# KiCad board VNA.kicad_pcb (continued)
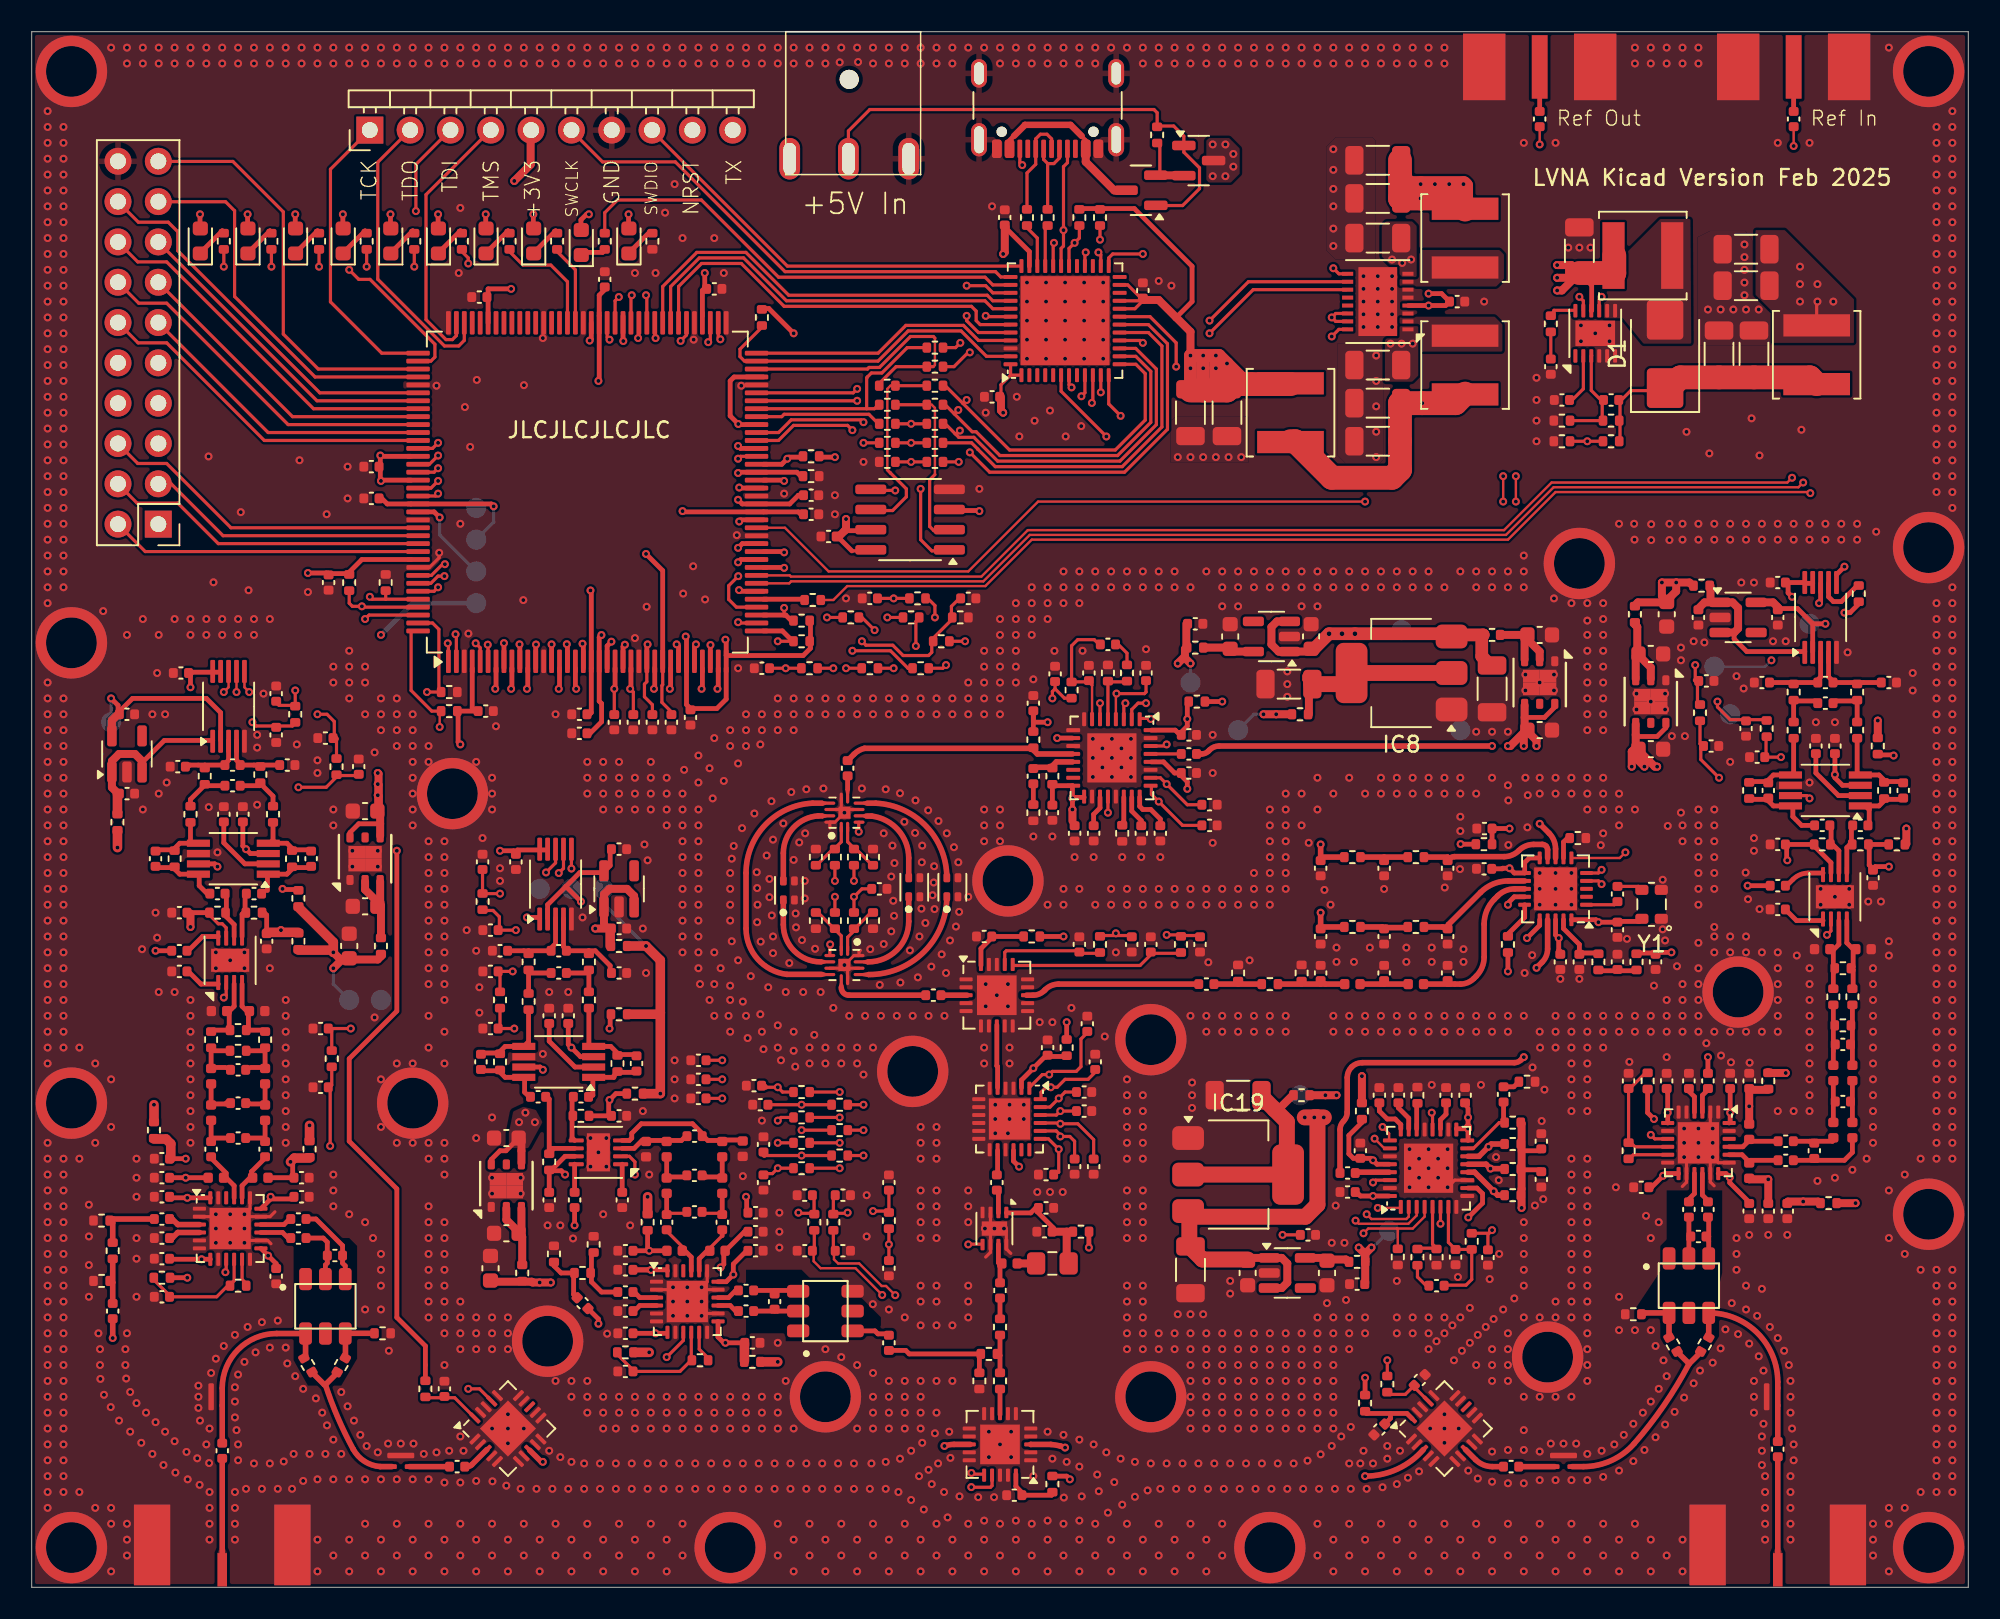
[diagram p0: board, top side]
## Routing (per net, layer and track width the routed paths; a pad name or vN(x,y) marks a point on that pad's centre or on a via; arc(x,y) is an arc through that point) (continued)
VCCINT: length 57.2
  Top w0.2: 40.3,55.15 39.7,55.75 39.7,56.81 39.75,56.86 39.75,57.9 ; v1(82,83.1) 82.35,82.75 82.87,82.75 ; 86.2,87.5 v1(87.5,87.5)
  Top w0.3: v1(29.1,68.1) 28.95,68.25 22.4,68.25 22.05,68.6 21.96,68.6 ; v1(35.2,62.8) 35.25,62.75 35.25,55.1 35.15,55 35.06,55 ; 36.1,81.84 36.1,81.75 35.75,81.4 35.75,76.05 v1(35.7,76) ; 39.75,57.9 39.75,64.05 v1(38.7,65.1) ; v1(41,67.8) 41,67.75 48.3,67.75 48.45,67.6 48.54,67.6
  Top w1: 90.3,86.8 90.3,88.3 v1(90.2,88.4) v1(87.5,88.4) 86.8,88.4 86.2,89
  Top w1.5: 86.2,89.9 86.2,87.5 v1(87.5,87.5) 89.6,87.5 90.3,86.8
  Bottom w0.2: v1(29.1,68.1) 29.1,67.1 TP1.1
  vias: v1(88.4,88.4) v1(89.3,88.4)
+5V/1: length 71.5
  Top w0.3: 8.76,19.5 v1(9.8,19.5)
  Top w0.5: 20,39.55 19.55,39.55 v1(19,39) ; 20,39.55 21.8,39.55 22,39.75 22,39.84 ; 20,39.55 19.45,39.55 v1(19,40)
  Top w0.6: 17.5,28.16 v1(17.5,29.1) ; 16.8,40.14 18.86,40.14 v1(19,40) 19,40.64 16.8,42.84 ; 5.4,47.64 v1(5.4,46.6) ; 7.7,29.36 v1(7.7,30.4)
  In3.Cu w0.3: v1(7.7,30.4) 7.7,21.6 v1(9.8,19.5)
  In3.Cu w0.6: v1(5.4,46.6) 5.4,38.4 ; 5.4,38.4 9.7,38.4 12,36.1 13.1,36.1 14.9,37.9 17.1,37.9 17.5,37.5 ; 5.4,38.4 5.4,37.2 7.7,34.9 v1(7.7,30.4) ; 17.5,37.5 v1(17.5,29.1) ; 17.5,37.5 v1(19,39) v1(19,40)
  Bottom w0.2: v1(19,39) 19,38 TP5.1
+5V/2: length 86.8
  Top w0.3: 101.8,31.34 101.8,29.9 v1(102.2,29.5)
  Top w0.5: 113.76,24.2 v1(114.9,24.2) ; v1(103.6,63.3) v1(102.7,63.3) 102.7,62.45 103,62.15 103.6,62.75 v1(103.6,63.3) ; v1(103.6,63.3) 104.44,63.3 104.64,63.1 ; 102.9,62.05 101.19,62.05 101,61.86 ; 118.06,46.8 118.1,46.84 v1(118.1,47.8) ; 109.4,32.46 109.46,32.4 v1(110.5,32.4) ; 116.3,53.56 v1(116.3,54.6)
  In3.Cu w0.3: v1(102.2,29.5) 102.2,30.2 103.1,31.1 109.2,31.1
  In3.Cu w0.5: v1(110.5,32.4) 109.2,31.1 109.2,27.9 112.9,24.2 v1(114.9,24.2) 118.1,27.4 v1(118.1,47.8) 118.1,52.8 v1(116.3,54.6) 112.5,58.4 v1(109.6,58.4) 104.7,63.3 v1(102.7,63.3)
  Bottom w0.15: TP7.1 109.2,58 v1(109.6,58.4)
+5V/3: length 57.3
  Top w0.5: 28.9,19.25 31.5,19.25 31.55,19.2 v1(32.7,19.2)
  Top w0.6: 39.6,36.2 v1(39.6,31.1) 38.56,31.1 ; 39.6,36.2 39.5,36.1 37.56,36.1 ; 39.6,36.2 39.6,39.5 v1(38.7,40.4) 37.56,40.4 ; 38.8,23.56 v1(38.8,24.6) ; 45.96,14.2 v1(47,14.2) ; 37.96,14.8 v1(38.9,14.8)
  In3.Cu w0.6: v1(47,14.2) 43.6,14.2 42.6,15.2 39.3,15.2 v1(38.9,14.8) 34.5,19.2 ; 34.5,19.2 v1(32.7,19.2) v1(32,19.2) ; 34.5,19.2 36.8,21.5 36.8,23.2 38.2,24.6 v1(38.8,24.6) 39.6,25.4 v1(39.6,31.1)
  Bottom w0.2: v1(38.7,40.4) 36,43.1 TP9.1
+5V/4: length 48.6
  Top w0.5: 78.08,18.85 78.75,18.85 79.1,19.2 79.1,20.4 78.75,20.75 76.7,20.75 ; 92,58 91.35,58.65 ; 79.12,60.85 78.45,60.85 78.1,60.5 78.1,59.4 78.55,58.95 80.5,58.95
  Top w0.8: 92,58 91.35,58.65 91.35,59.91 91.44,60 89.47,60 ; C50.1 80.78,59.12 v3(81.73,60.07) v3(83.36,60.07) 89.28,60.07
  Top w1: 76.6,20.65 73.75,20.65 72.93,21.47 72.93,23.34 80.24,23.34 81,24.1 81,29.6 v1(80.8,29.6) ; v1(80.8,29.6) v1(81.4,29.6) ; v1(80.8,29.6) v1(80.2,29.6)
  Bottom w0.2: TP11.1 85.9,59.9 83.1,59.9
  vias: v3(82.55,60.07)
/1.LO/LO1_BIAS_FILT: length 1.8
  Top w0.3: 86.1,30.44 86.1,30.2 86.75,29.55 86.75,28.89
/1.LO/LO1_CPO: length 7.5
  Top w0.2: 89.15,19 89.18,19.03 90.36,19.03 90.72,19.39 R36.1 89.7,21.28 ; IC21.7 89.25,21.73 C90.1
/1.LO/LO1_NOISE_FILT: length 1.7
  Top w0.3: 89.1,30.44 89.1,29.8 88.75,29.45 88.75,28.89
/1.LO/LO1_REFC: length 2.1
  Top w0.35: 83.43,26.15 85.51,26.15
/1.LO/LO1_REG: length 2.4
  Top w0.3: 84.9,30.44 84.9,30 85.4,29.5 85.9,29.5 86.25,29.15 86.25,28.89
/1.LO/LO1_RFOUTB_N: length 4.3
  Top w0.2: R35.1 92.45,29.27 90.83,27.65 90.49,27.65
  Top w0.3: R35.1 92.73,29.34 C93.2
/1.LO/LO1_RFOUTB_N_RC: length 1.1
  Top w0.3: R38.2 93.37,31.53 C93.1
/1.LO/LO1_RST: length 1.5
  Top w0.2: 87.3,30.35 87.25,30.3
  Top w0.3: 87.25,30.3 87.25,28.89
/1.LO/LO1_SW: length 3.9
  Top w0.2: 87.3,21.36 88.5,21.36 88.25,21.61 IC21.5
/1.LO/LO1_SW_RC: length 1.5
  Top w0.2: 87.3,20.24 87.3,19.55 87.85,19
/1.LO/LO1_TUNE: length 12.7
  Top w0.2: C95.2 91.74,22.24 v1(92,22.5) 91.8,22.3 R36.2 ; 88.25,28.89 88.25,29.85 v1(88.2,29.9)
  In3.Cu w0.15: v1(92,22.5) 92,23 89.9,25.1 89.9,27.7 88.2,29.4 v1(88.2,29.9)
/2.LO + Ref Clock/CLK_CLKIN: length 59
  Top w0.15: 97,45.95 100.05,45.95 v1(100.4,46.3) ; v1(111,90.8) 111,91.94
  In3.Cu w0.15: v1(100.4,46.3) 107.3,53.2 107.3,56.2 106.48,57.02 106.48,59.87 105.23,61.12 103.27,61.12 102.1,62.3 102.1,63.8 102.58,64.27 102.58,82.37 v1(111,90.8)
/2.LO + Ref Clock/CLK_CLKOUT: length 65.3
  Top w0.15: v1(95,90.9) 95,91.94
  Top w0.3: v1(94.2,40.9) 95,41.7 95,42.05
  In3.Cu w0.15: v1(95,90.9) 101.5,84.4 101.5,62.2 103.1,60.6 105.07,60.6 105.9,59.77 105.9,56.92 106.8,56.02 106.8,53.7 99.7,46.6 99.7,43.9 98,42.2 95.5,42.2 v1(94.2,40.9)
/2.LO + Ref Clock/CLK_OEB: length 1.4
  Top w0.3: 96.5,45.95 96.5,46.95 96.75,47.2 96.84,47.2
/2.LO + Ref Clock/CLK_PORT1LO2: length 8.9
  Top w0.35: C37.1 89.33,45.9 arc(89.46,46) 89.63,46.03 92.76,46.03 arc(93.26,46.13) 93.69,46.41 arc(94.12,46.7) 94.62,46.8 95.16,46.8 arc(95.29,46.77) 95.4,46.7 arc(95.47,46.59) 95.5,46.46 95.5,45.95 ; 87.76,46 89.2,46 89.2,45.86
/2.LO + Ref Clock/CLK_PORT2_LO2: length 3.7
  Top w0.3: 96.5,42.05 96.5,41.5 97.5,40.5 97.5,39.96 98.7,39.96
/2.LO + Ref Clock/CLK_REFLO2: length 7.5
  Top w0.35: 94.05,44.5 93.03,44.5 arc(92.08,44.31) 91.27,43.77 89.25,41.75 arc(89.21,41.69) 89.2,41.63 arc(89.18,41.58) 89.13,41.56 88.97,41.56 arc(88.94,41.57) 88.92,41.58 arc(88.9,41.59) 88.87,41.6 87.76,41.6
/2.LO + Ref Clock/CLK_SOURCE_LB: length 10.8
  Top w0.35: 89.2,38 90,38 arc(90.46,38.09) 90.85,38.35 91,38.5 arc(91.37,39.05) 91.5,39.71 91.5,41.78 arc(91.67,42.63) 92.15,43.35 92.36,43.56 arc(92.85,43.88) 93.43,44 94.05,44 ; 89.2,38 87.75,38 ; 89.2,38 89.2,38.14
/2.LO + Ref Clock/CLK_XTAL: length 1.6
  Top w0.2: C34.2 101.22,44.15 Y1.3
/2.LO + Ref Clock/CLK_XTAL_C: length 2
  Top w0.2: 97.95,43 99.7,43 C34.1
/2.LO + Ref Clock/CLKIN: length 2.7
  Top w0.3: 111,93.06 X1.1
/2.LO + Ref Clock/CLKOUT: length 2.7
  Top w0.3: 95,93.06 X2.1
/Attenuator Amp Switches/AMP_PWDN_F: length 8.5
  Top w0.2: 54,20.66 v1(54,21.6) 54,22.54 ; 59.9,21.62 59.02,21.62 v1(59,21.6)
  In3.Cu w0.15: v1(54,21.6) 54.9,22.5 58.1,22.5 v1(59,21.6)
/Attenuator Amp Switches/ATT_D0R: length 22.8
  Top w0.2: 62.85,31.48 63.67,32.3 v1(64.1,32.3) 64.3,32.5 65.8,32.5 66.1,32.8 66.1,34.54 66.5,34.94 ; 49.06,31.2 v1(50.9,31.2)
  In3.Cu w0.15: v1(64.1,32.3) 63.7,31.9 61,31.9 60.9,31.8 60.88,31.8 58.88,29.8 54.4,29.8 53,31.2 v1(50.9,31.2)
/Attenuator Amp Switches/ATT_D1R: length 18.3
  Top w0.2: 51.46,30.4 v1(52.4,30.4) ; 67,32.45 66.55,32 65.1,32 64.6,31.5 v1(64.2,31.5) 63.9,31.5 63.58,31.18 63.58,30.75
  In3.Cu w0.15: v1(64.2,31.5) 61,31.5 59,29.5 54.2,29.5 53.3,30.4 v1(52.4,30.4)
/Attenuator Amp Switches/ATT_D2R: length 20.2
  Top w0.2: 63.58,30.25 64.15,30.25 v1(64.7,30.8) 65.1,31.2 65.74,31.2 ; 49.06,29.6 v1(50.9,29.6)
  In3.Cu w0.15: v1(64.7,30.8) 61.7,27.8 58.8,27.8 58.1,28.5 54.3,28.5 53.2,29.6 v1(50.9,29.6)
/Attenuator Amp Switches/ATT_D3R: length 17.2
  Top w0.2: 63.58,29.75 64.55,29.75 v1(64.8,30) 65.74,30 ; 51.46,28.8 v1(52.4,28.8)
  In3.Cu w0.15: v1(52.4,28.8) 53.4,28.8 54.7,27.5 61.9,27.5 64.4,30 v1(64.8,30)
/Attenuator Amp Switches/ATT_D4R: length 22.4
  Top w0.2: 63.58,29.25 64.75,29.25 v1(64.8,29.2) 65.9,29.2 66.9,28.2 66.9,27.06 ; 49.06,28 v1(50.9,28)
  In3.Cu w0.15: v1(50.9,28) 53.5,28 55,26.5 61.5,26.5 64.2,29.2 v1(64.8,29.2)
/Attenuator Amp Switches/ATT_D5R: length 18.7
  Top w0.2: 63.58,28.75 64.54,28.75 64.8,28.49 v1(64.8,28.4) 65.4,28.4 65.7,28.1 65.7,27.06 ; 51.46,27.2 v1(52.4,27.2)
  In3.Cu w0.15: v1(64.8,28.4) 61.9,25.5 55.5,25.5 53.8,27.2 v1(52.4,27.2)
/Attenuator Amp Switches/ATT_D6R: length 20.8
  Top w0.2: 49.06,26.4 v1(50.9,26.4) ; 64.46,26 64.61,26.15 64.7,26.15 v1(64.7,27.6) 64.05,28.25 63.58,28.25
  In3.Cu w0.15: v1(64.7,27.6) 61.6,24.5 55.5,24.5 53.6,26.4 v1(50.9,26.4)
/Attenuator Amp Switches/HB_SEL: length 6.7
  Top w0.2: 61.3,39.17 61.3,40 61.4,40.1 65.84,40.1 ; 67.3,39.94 66,39.94
/Attenuator Amp Switches/LB_SEL: length 10.9
  Top w0.2: 70.5,39.85 69.83,39.17 61.8,39.17 ; 72.4,39.94 70.5,39.94
/Attenuator Amp Switches/PORTSW1_CTL_F: length 20.6
  Top w0.15: v1(54.4,18.4) 53.82,18.98 53.55,18.98 52.13,20.4 50.8,20.4 50.54,20.66 50.54,21.2
  Top w0.2: v1(59.2,7.2) 59.27,7.12 60,7.12 ; 50.5,21.24 50.5,22.44
  In3.Cu w0.15: v1(54.4,18.4) 54.5,18.3 54.5,16.3 57.5,13.3 57.5,12.2 59.2,10.5 v1(59.2,7.2)
/Attenuator Amp Switches/PORTSW1_CTL_F2: length 25.7
  Top w0.2: 29.03,11.68 28.21,12.5 v1(27.5,12.5) ; 18.76,31.5 18.9,31.64 18.9,32.74 ; v1(18.8,27.8) 18.8,31.46
  In3.Cu w0.3: v1(27.5,12.5) 27.5,13.5 23.2,17.8 23.2,23.4 v1(18.8,27.8)
/Attenuator Amp Switches/PORTSW2_CTL_F: length 23.6
  Top w0.15: 49.26,21.2 49.26,20.54 49.7,20.1 51.89,20.1 v1(53.58,18.41)
  Top w0.2: v1(59.19,6.31) 59.19,6.3 60.4,6.3 60.5,6.4 60.5,7.12 ; 49.3,21.24 49.3,22.44
  In3.Cu w0.15: v1(53.58,18.41) 53.5,18.33 53.5,16.3 56.5,13.3 56.5,12.4 58.69,10.21 58.69,6.81 v1(59.19,6.31)
/Attenuator Amp Switches/PORTSW2_CTL_F2: length 3.2
  Top w0.2: 85.49,12.15 86.53,12.15 87.05,12.66 88.03,11.68
/Attenuator Amp Switches/RF_HBLB_AMP: length 2.4
  Top w0.3: 61,19.26 61,20.35 ; 60.9,21.62 60.9,20.45 arc(60.97,20.39) 61.05,20.4
/Attenuator Amp Switches/RF_HBLB_AMP_C: length 1.2
  Top w0.3: 61,18.14 61,16.96
/Attenuator Amp Switches/RF_HBLB_AMP_IN: length 1.4
  Top w0.3: 60.9,23.58 60.9,24.75 arc(60.89,24.87) 60.8,24.94
/Attenuator Amp Switches/RF_HBLB_ATT: length 1.5
  Top w0.3: 60.85,27.52 60.85,26.2 arc(60.85,26.12) 60.8,26.06
/Attenuator Amp Switches/RF_HBLB_PORT1: length 28.8
  Top w0.35: v1(32.2,7.9) 32.1,7.9 IC18.8 ; 59.13,9 58.1,9 arc(57.8,8.97) v1(57.5,8.9)
  In2.Cu w0.22: v1(57.5,8.9) 56.9,8.6 arc(56.43,8.33) 56,8 arc(55.53,7.66) 55,7.4 arc(54.02,7.11) 53,7 35.2,7 arc(34.34,7.05) 33.5,7.2 arc(32.8,7.47) v1(32.2,7.9)
/Attenuator Amp Switches/RF_HBLB_PORT2: length 25.6
  Top w0.35: IC16.3 62.94,9 64.2,9 arc(64.5,8.96) 64.8,8.9 arc(64.95,8.86) v1(65.1,8.8) ; v1(84,7) arc(86.02,7.44) 87.67,8.67
  In2.Cu w0.22: v1(84,7) 70,7 arc(68.97,7.13) 68,7.5 arc(67.5,7.76) 67,8 66.4,8.3 arc(65.76,8.58) v1(65.1,8.8)
/Attenuator Amp Switches/RF_HBLB_REF: length 1.6
  Top w0.3: 61,12.44 61,10.88
/Attenuator Amp Switches/RF_HBLB_REF_R: length 2.4
  Top w0.3: 61,15.84 61,14.6 ; 61,14.6 61,13.56 ; 61,14.6 arc(60.96,14.61) 60.95,14.65 60.9,14.7
/Attenuator Amp Switches/RF_HBLB_SWITCH: length 4
  Top w0.3: 60.85,31.48 60.85,32.8 60.8,32.85 60.8,35.42
/FPGA/FPGA_CLK_R: length 80.1
  Top w0.15: 46.1,66.75 47.45,66.75 50.2,64 59,64 63.4,68.4 v1(84,68.4)
  Top w0.3: 93,39.94 v1(93,38.8)
  In3.Cu w0.15: v1(84,68.4) 91.1,68.4 93.5,66 93.5,48.4 93.7,48.2 93.7,45.17 93.5,44.97 93.5,39.3 v1(93,38.8)
/FPGA/FPGA_L34_N: length 20
  Top w0.2: 23.9,65.75 11.75,65.75 9.2,68.3 6.64,68.3 5.43,69.51
/FPGA/FPGA_L34_P: length 19.2
  Top w0.2: 5.43,66.97 7.15,65.25 23.9,65.25
/FPGA/FPGA_L35_N: length 20.7
  Top w0.2: 23.9,66.75 12.55,66.75 8.5,70.8 6.68,70.8 5.43,72.05
/FPGA/FPGA_L35_P: length 17.3
  Top w0.2: 7.97,69.51 8.79,69.51 12.05,66.25 23.9,66.25
/FPGA/FPGA_L36_N: length 24.1
  Top w0.2: v1(25.6,69.7) 25.15,69.25 23.9,69.25
  In3.Cu w0.2: v1(25.6,69.7) 22,73.3 6.72,73.3 5.43,74.59
/FPGA/FPGA_L36_P: length 20.7
  Top w0.2: 23.9,68.75 25.45,68.75 v1(25.6,68.9)
  In3.Cu w0.2: v1(25.6,68.9) 20.4,68.9 17.25,72.05 7.97,72.05
/FPGA/FPGA_L37_N: length 24.5
  Top w0.2: v1(25.6,71.3) 25.05,70.75 23.9,70.75
  In3.Cu w0.2: v1(25.6,71.3) 21.1,75.8 6.76,75.8 5.43,77.13
/FPGA/FPGA_L37_P: length 21.1
  Top w0.2: v1(25.6,70.5) 25.35,70.25 23.9,70.25
  In3.Cu w0.2: v1(25.6,70.5) 21.51,74.59 7.97,74.59
/FPGA/FPGA_L62_N: length 21.5
  Top w0.2: 23.9,72.25 14.65,72.25 8.5,78.4 6.7,78.4 5.43,79.67
/FPGA/FPGA_L62_P: length 21.6
  Top w0.2: 23.9,71.75 25.25,71.75 v1(25.6,72.1)
  In3.Cu w0.2: v1(25.6,72.1) 20.57,77.13 7.97,77.13
/FPGA/FPGA_L63_N: length 22.2
  Top w0.2: 5.43,82.21 6.74,80.9 8.5,80.9 16.15,73.25 23.9,73.25
/FPGA/FPGA_L63_P: length 18.8
  Top w0.2: 23.9,72.75 14.89,72.75 7.97,79.67
/FPGA/FPGA_L64_N: length 22.8
  Top w0.2: 5.43,84.75 6.68,83.5 8.5,83.5 17.75,74.25 23.9,74.25
/FPGA/FPGA_L64_P: length 19.4
  Top w0.2: 7.97,82.21 16.43,73.75 23.9,73.75
/FPGA/FPGA_L65_N: length 24.2
  Top w0.2: 5.43,87.29 6.72,86 8.6,86 9.2,85.4 9.2,84.2 18.15,75.25 23.9,75.25
/FPGA/FPGA_L65_P: length 20.1
  Top w0.2: 23.9,74.75 17.97,74.75 7.97,84.75
/FPGA/FPGA_L66_N: length 25.9
  Top w0.2: 7.97,89.83 12.67,89.83 15.85,86.65 15.85,78.95 18.05,76.75 23.9,76.75
/FPGA/FPGA_L66_P: length 23.7
  Top w0.2: 7.97,87.29 12.21,87.29 12.78,86.72 12.78,81.32 17.85,76.25 23.9,76.25
/FPGA/LED2C: length 2
  Top w0.3: 37.6,84.05 38.91,85.36 39.1,85.36
/FPGA/LED3: length 4.5
  Top w0.2: 33.1,84.15 34.25,83 34.25,80.1
/FPGA/LED3C: length 2.1
  Top w0.3: 31.6,84.05 33,85.45 33.01,85.45 33.1,85.36
/FPGA/LED4: length 6.6
  Top w0.2: 33.75,80.1 33.75,82.25 32.7,83.3 30.95,83.3 30.1,84.15
/FPGA/LED4C: length 2.1
  Top w0.3: 30.1,85.36 30.01,85.45 30,85.45 28.6,84.05
/FPGA/LED5: length 13.4
  Top w0.2: v1(36.4,78.6) 36.25,78.75 36.25,80.1 ; v1(27.5,83.4) 27.5,83.75 27.1,84.15
  In3.Cu w0.2: v1(27.5,83.4) 31.6,83.4 v1(36.4,78.6)
/FPGA/LED5C: length 2.1
  Top w0.3: 27.1,85.36 27.01,85.45 27,85.45 25.6,84.05
/FPGA/LED6: length 16.6
  Top w0.2: 36.75,80.1 36.75,81.05 v1(36.99,81.29) ; 24.1,84.24 v1(24.1,83.2)
  In3.Cu w0.2: v1(36.99,81.29) 34.41,81.29 31.8,83.9 24.8,83.9 v1(24.1,83.2)
/FPGA/LED6C: length 2.1
  Top w0.3: 22.6,84.05 24,85.45 24.01,85.45 24.1,85.36
/FPGA/LED7: length 20.7
  Top w0.2: v1(37.8,81.4) 37.75,81.35 37.75,80.1 ; 21.1,84.24 v1(21.1,83.2)
  In3.Cu w0.2: v1(37.8,81.4) 37.6,81.6 37.6,81.61 37.31,81.9 34.29,81.9 31.94,84.25 23.75,84.25 22.7,83.2 v1(21.1,83.2)
/FPGA/LED7C: length 2.1
  Top w0.3: 19.6,84.05 21,85.45 21.09,85.36
/FPGA/LED8: length 25
  Top w0.2: v1(38.2,78.7) 38.25,78.75 38.25,80.1 ; 18.1,84.24 v1(18.1,83.2)
  In3.Cu w0.2: v1(18.1,83.2) 23.33,77.97 37.47,77.97 v1(38.2,78.7)
/FPGA/LED8C: length 2.1
  Top w0.3: 16.6,84.05 18,85.45 18.01,85.45 18.1,85.36
/FPGA/LED9: length 29.5
  Top w0.2: v1(38.7,81.4) 38.75,81.35 38.75,80.1 ; 15.1,84.24 v1(15.1,83.2)
  In3.Cu w0.2: v1(15.1,83.2) 15.7,83.8 18.3,83.8 19.6,82.5 20.4,82.5 20.6,82.7 20.6,83.6 21.6,84.6 32.09,84.6 34.44,82.25 37.85,82.25 v1(38.7,81.4)
/FPGA/LED9C: length 2.1
  Top w0.3: 15.1,85.36 15.01,85.45 15,85.45 13.6,84.05
/FPGA/LED10: length 32.7
  Top w0.2: 12.1,84.24 v1(12.1,83.2) ; v1(39.3,78.7) 39.25,78.75 39.25,80.1
  In3.Cu w0.2: v1(39.3,78.7) 39.3,78.3 38.59,77.59 17.71,77.59 v1(12.1,83.2)
/FPGA/LED10C: length 2.1
  Top w0.3: 10.6,84.05 12,85.45 12.01,85.45 12.1,85.36
/FPGA/PORT2_SCLK_R: length 2.5
  Top w0.3: 48.59,62.25 46.1,62.25
/FPGA/PORT2_SDO_R: length 79
  Top w0.15: 46.1,63.25 47.72,63.25 47.84,63.37 59.95,63.37 62.88,66.3 92.88,66.3 95.88,69.3 111.3,69.3 v1(111.6,69.6)
  Top w0.3: 115.1,62.04 115.1,61.95 114.55,61.4 v1(114.2,61.4)
  In3.Cu w0.15: v1(111.6,69.6) 112.18,69.6 113.5,68.28 113.5,62.1 v1(114.2,61.4)
/FPGA/PORT2MIX1_EN_FPGA: length 73.1
  Top w0.2: 104.8,57.15 v1(104.8,58.1) ; 104.94,57.1 104.94,55.82 105.1,55.66
  Top w0.3: 48.54,71.2 47.7,71.2 v1(47.6,71.1) 47.25,70.75 46.1,70.75 ; 104.94,57.1 104.85,57.1 104.8,57.15
  In3.Cu w0.15: v1(47.6,71.1) 49.42,71.1 53.72,66.8 60.58,66.8 62.98,69.2 96.82,69.2 100.34,65.69 100.34,60.59 103.12,57.8 104.5,57.8 v1(104.8,58.1)
/FPGA/PORT2MIX2_EN_FPGA: length 80.6
  Top w0.2: v1(106.2,55.8) 106.2,55.46 107,54.66 109.3,54.66
  Top w0.3: v1(44.5,70.2) 44.55,70.25 48.2,70.25 48.45,70 48.54,70
  In3.Cu w0.15: v1(106.2,55.8) 104.7,55.8 100.04,60.46 100.04,65.56 96.7,68.9 63.1,68.9 60.7,66.5 53.6,66.5 49.9,70.2 v1(44.5,70.2)
/HF Source/FILT_IN_C1_R: length 3.1
  Top w0.2: 53,45.44 51.88,46.56 ; 51.8,46.56 51.4,46.96 IC11.2
/HF Source/FILT_IN_C2_R: length 3.1
  Top w0.2: 50.6,46.56 51,46.96 IC11.1 ; 49.4,45.44 50.52,46.56
/HF Source/FILT_OUT_C1_R: length 3.1
  Top w0.2: IC12.2 51,41.04 49.49,42.55
/HF Source/FILT_OUT_C2_R: length 3
  Top w0.2: 51.8,41.44 52.91,42.55 ; IC12.1 51.4,40.95 51.8,41.35
/HF Source/SRC_BIAS_FILT: length 2
  Top w0.3: 69.9,48.06 69.9,48.3 69.3,48.9 69.3,49.76
/HF Source/SRC_CE: length 16.4
  Top w0.15: v1(68.34,56.3) 68.3,56.26 68.3,54.74
  Top w0.2: 57.86,59.6 v1(58.8,59.6) ; v1(68.34,56.3) 68.34,56.3 70.1,56.3 70.2,56.4 70.2,57.04
  In3.Cu w0.15: v1(68.34,56.3) 68.1,56.3 65.9,58.5 59.2,58.5 58.8,58.9 v1(58.8,59.6)
/HF Source/SRC_CP_OUT: length 7.7
  Top w0.15: 66.8,56.84 66.8,54.74
  Top w0.2: 65.6,57.04 66.6,57.04 66.8,56.84 ; R15.1 65.51,59.31 65.9,59.7 66.94,59.7 67.24,59.4
/HF Source/SRC_DATA: length 20.2
  Top w0.2: 55.96,61.1 55.7,60.84 v1(55.7,59.3) ; 69.3,54.74 69.3,55.3 69.7,55.7 v1(70.2,55.7)
  In3.Cu w0.15: v1(55.7,59.3) 57.8,59.3 58.58,60.08 59.02,60.08 59.6,59.5 66.4,59.5
  In3.Cu w0.152: v1(70.2,55.7) 66.4,59.5
/HF Source/SRC_FILT_IN_ANT: length 0.7
  Top w0.3: 51.4,51.04 51.4,50.3
/HF Source/SRC_FILT_IN_RF1: length 5.5
  Top w0.35: 49.77,48.6 49.55,48.6 arc(47.98,47.86) 47.35,46.25 LP1.4
/HF Source/SRC_FILT_IN_RF3: length 7.7
  Top w0.35: 52.65,49.4 53.17,49.4 arc(56.35,47.95) LP3.4
/HF Source/SRC_FILT_IN_RF4: length 5.4
  Top w0.35: 52.61,48.59 52.91,48.59 arc(54.58,47.71) 55.25,45.95 LP2.4
/HF Source/SRC_FILT_OUT_ANT: length 5.5
  Top w0.35: 56.24,37.3 51.48,37.3 arc(51.14,37.44) 51,37.78
/HF Source/SRC_FILT_OUT_RF1: length 7.7
  Top w0.35: 52.75,38.6 arc(56.21,40.04) 57.65,43.5
/HF Source/SRC_FILT_OUT_RF2: length 5.6
  Top w0.35: LP2.1 55.25,41.95 arc(54.5,40.15) 52.7,39.4
/HF Source/SRC_FILT_OUT_RF4: length 5.2
  Top w0.35: LP1.1 47.35,41.75 arc(48.04,40.09) 49.7,39.4
/HF Source/SRC_FILT_THRU: length 17.2
  Top w0.35: 49.77,49.4 49.2,49.4 arc(46.22,48.04) 45,45 45,41.5 arc(45.74,39.57) 47.57,38.61 49.74,38.61
/HF Source/SRC_LD: length 34.9
  Top w0.2: 49.56,57.9 v1(50.5,57.9) ; 70.54,50.5 70.54,49.96 v1(71,49.5) 72.5,48 73.64,48
  In3.Cu w0.15: v1(50.5,57.9) 51.5,56.9 51.5,54.8 51.9,54.4 62.3,54.4 63.4,55.5 64.3,55.5 65.7,54.1 65.7,50.98 67.1,49.58 67.1,48.7 67.5,48.3 69.8,48.3 v1(71,49.5)
/HF Source/SRC_LE: length 14.8
  Top w0.2: v1(68.9,55.7) 68.8,55.6 68.8,54.74 ; 56.56,57.9 57.4,57.9 v1(57.6,58.1)
  In3.Cu w0.15: v1(57.6,58.1) 58.2,57.5 62.4,57.5 62.8,57.9 65.8,57.9 68.08,55.62 68.5,55.62 68.57,55.7 v1(68.9,55.7)
/HF Source/SRC_MUX: length 29.2
  Top w0.2: v1(71.5,53.1) 71.4,53 70.54,53 ; 53.36,57.9 v1(54.3,57.9)
  In3.Cu w0.15: v1(54.3,57.9) 55.5,56.7 55.5,55.7 55.7,55.5 62.9,55.5 63.9,56.5 65.08,56.5 67.28,54.3 69.3,54.3 70,53.6 70,50.8 70.8,50 71.7,50 72.1,50.4 72.1,52.5 v1(71.5,53.1)
/HF Source/SRC_NOISE_FILT: length 1.9
  Top w0.3: 67.3,49.76 67.3,49.1 66.9,48.7 66.9,48.06
/HF Source/SRC_REF_IN: length 1.8
  Top w0.2: 70.54,52.5 72.34,52.5
/HF Source/SRC_REFOUT_EN: length 26.8
  Top w0.2: 73.64,49.3 72.8,49.3 v1(71.5,50.6) 71.1,51 70.54,51 ; 56.45,62.3 56.9,61.85 v1(56.9,61.1)
  In3.Cu w0.15: v1(71.5,50.6) 71,51.1 71,55.7 66.22,60.48 57.52,60.48 v1(56.9,61.1)
/HF Source/SRC_REG: length 2.5
  Top w0.3: 69.8,49.76 69.8,49.2 70,49 70.5,49 71.1,48.4 71.1,48.06
/HF Source/SRC_RFOUTA_N: length 2.7
  Top w0.35: 65.56,52 64.55,52 64.3,51.75 64.3,51.66 63.1,51.66
/HF Source/SRC_RFOUTA_P: length 14.7
  Top w0.35: 65.56,52.5 63.35,52.5 63.1,52.75 R12.1 63.06,52.85 52.46,52.85 arc(52.11,52.71) 51.8,52.48 C65.1
/HF Source/SRC_RSET: length 1.7
  Top w0.3: 68.7,48.06 68.7,48.15 68.8,48.25 68.8,49.76
/HF Source/SRC_SCK: length 22.1
  Top w0.2: 52.16,61.1 52.3,61.1 v1(53.1,60.3) ; v1(70.5,54.7) 70.46,54.74 69.8,54.74
  In3.Cu w0.15: v1(70.5,54.7) 67.5,54.7 65.2,57 63.8,57 63.33,56.52 56.88,56.52 v1(53.1,60.3)
/HF Source/SRC_SW: length 3.5
  Top w0.2: 67.8,54.74 67.8,57.04 69,57.04
/HF Source/SRC_TUNE: length 12
  Top w0.2: R15.2 65.06,56.01 64.47,56.6 ; 64.47,56.6 64.3,56.43 v1(64.3,56) ; 64.47,56.6 C67.2 ; 67.8,49.76 v1(67.8,48.8)
  In3.Cu w0.15: v1(67.8,48.8) 67.8,49.4 66.1,51.1 66.1,54.2 v1(64.3,56)
/Microcontroller/FLASH_CS: length 10.5
  Top w0.2: v1(56,69.2) 56,66 56.7,65.29 58,65.29 ; 54.46,72.1 v1(55.4,72.1) 56.34,72.1
  In3.Cu w0.15: v1(56,69.2) 56,71.5 v1(55.4,72.1)
/Microcontroller/FLASH_MISO: length 11.7
  Top w0.15: 56.34,74.5 56.7,74.5 56.9,74.3 56.9,70.1
  Top w0.2: 58,66.56 56.83,66.56 56.57,66.83 56.57,69.77 56.9,70.1 ; 56.34,74.5 54.46,74.5
/Microcontroller/FLASH_MOSI: length 8.1
  Top w0.2: 56.34,73.3 v1(55.4,73.3) 54.46,73.3 ; 52.8,69.1 54.39,69.1 v1(54.4,69.1)
  In3.Cu w0.15: v1(54.4,69.1) 54.4,72.3 v1(55.4,73.3)
/Microcontroller/FLASH_SCK: length 12.6
  Top w0.15: 54.6,75.7 54.1,75.7 53.9,75.5 53.9,70.4
  Top w0.2: 53.9,70.4 54.1,70.2 54.1,70.2 55.1,69.2 55.1,68.7 54.23,67.83 52.8,67.83 ; 54.46,75.7 56.34,75.7
/Microcontroller/LED1C: length 1.4
  Top w0.3: 36.1,84.24 35.96,84.1 34.75,84.1
/Microcontroller/LED2: length 29.4
  Top w0.2: 36.1,85.36 36.1,86.6 36.9,87.4 42.18,87.4 47.05,82.53 60.06,82.53 60.54,82.05 61.67,82.05
/Microcontroller/MCU_USB_DN: length 2.6
  Top w0.2: 63.85,83.23 63.85,85.59 64,85.74
/Microcontroller/MCU_USB_DP: length 2.7
  Top w0.2: 63.35,83.23 63.35,85 62.7,85.65
/Port 1/RF_PORT1_LO1_C: length 2.8
  Top w0.35: 5.1,19.2 5.1,20.64 ; 5.1,19.2 5.1,17.96 ; 5.1,19.2 5,19.3
/Port 1/RF_PORT1_LO1_CR: length 4.1
  Top w0.35: 7.64,23.2 5.15,23.2 5.05,23.1 4.96,23.1 5.1,22.96 5.1,21.76
/Port 1/RF_PORT1_LO1_CRC: length 2
  Top w0.35: 10.57,22.85 9.2,22.85 8.85,23.2 8.76,23.2
/Power Supply/PWR_DET: length 31.3
  Top w0.2: 71.07,87.05 72.51,87.05 73.57,88.11 73.57,89.42 72.58,90.41 Q2.1 72.58,91.42 71.94,92.06 70.9,92.06 70.9,92.9 70.7,93.1 52.8,93.1 51.45,91.75 J1.3
/Power Supply/USB_5V: length 3.2
  Top w0.2: 71.07,88.95 71.07,90.77 70.9,90.94
  Top w0.5: 71.07,88.95 72.23,88.95
/Power Supply/VREG3V3_SWL: length 25.2
  Top w0.2: 82.87,79.25 82.35,79.25 v1(81.9,78.8)
  Top w1.5: 90.3,75.2 89.7,74.6 v1(87.6,74.6) 86.2,74.6 86.2,70.4 85.7,69.9 81.9,69.9 79.6,72.2 79.3,72.2
  In3.Cu w0.15: v1(87.6,74.6) 85.49,76.71 83.99,76.71 v1(81.9,78.8)
/Power Supply/VREG5V/1: length 5.4
  Top w0.5: 21.95,43 22,42.95 22,40.96 ; 21.95,43 21,43.95 21,44.47 ; 21.95,43 21.95,44.47
/Power Supply/VREG5V/2: length 5.4
  Top w0.5: 101,60.74 101,60.65 101.15,60.5 101.15,58.8 102,57.95 102,57.23 ; 101.05,57.23 101.05,58.7
/Power Supply/VREG5V/3: length 5.3
  Top w0.5: 30.9,20.36 30.9,22.07 C24.2 ; 30.85,23.87 30.85,22.47 ; 30.75,22.3 29.9,23.15 29.9,23.87
/Power Supply/VREG5V/4: length 4.9
  Top w0.5: 94.05,59.9 93.95,60 92.56,60 ; 94.05,59.9 95,58.95 95,58.43 ; 94.05,59.9 94.05,58.43
/Power Supply/VREG6V_COMP: length 1.7
  Top w0.2: 95.7,80.16 95.9,80.36 95.9,80.45 97.22,80.45 IC1.12
/Power Supply/VREG6V_FB: length 6.3
  Top w0.2: 98.27,77.6 IC1.3 98.25,75.4 98.85,74.8 ; 98.94,74.8 98.94,73.5 96.96,73.5
/Power Supply/VREG6V_OVP: length 13.3
  Top w0.2: v1(98.9,81.3) 98.75,81.15 IC1.9 ; 96.96,72.2 v1(98,72.2) 98.94,72.2
  In3.Cu w0.15: v1(98.9,81.3) 100,80.2 100,74.2 v1(98,72.2)
/Power Supply/VREG6V_SS: length 3.1
  Top w0.2: 97.05,74.8 97.75,75.5 IC1.2
/Power Supply/VREG6V_SWD: length 15.7
  Top w0.2: 103.03,75.39 100.74,75.39 100.15,74.8 ; 100.06,72.2 100.06,74.8
  Top w1.5: 103.03,75.39 103.86,76.22 C13.1 C12.1 112.02,76.22 L5.1
AMP_PWDN: length 52.5
  Top w0.2: 53.95,23.7 v1(53,23.7) ; 54,23.66 54,24.94
  Top w0.3: v1(29.75,59.48) 29.75,57.9
  In3.Cu w0.15: v1(53,23.7) 52.2,23.7 51.7,24.2 50.1,24.2 47.2,27.1 44.07,27.1 42.1,29.07 42.1,32.82 37,37.92 37,44.27 32.4,48.87 32.4,51.95 30.8,53.55 30.8,54.87 30.7,54.97 30.7,58.53 v1(29.75,59.48)
ATT_D0: length 37.4
  Top w0.2: 46.25,31.5 v1(47,31.5) 47.3,31.2 47.94,31.2
  Top w0.3: 33.75,57.9 33.75,59.37 v1(33.71,59.41) ; 46.06,31.6 46.15,31.6 46.25,31.5
  In3.Cu w0.15: v1(33.71,59.41) 33.7,59.4 33.7,55.62 34.2,55.12 34.2,49.62 40.1,43.72 40.1,37.7 46.3,31.5 v1(47,31.5)
ATT_D1: length 38.6
  Top w0.2: 46.46,30.4 v1(48.5,30.4) 50.34,30.4
  Top w0.3: v1(33.2,56.6) 33.25,56.65 33.25,57.9
  In3.Cu w0.15: v1(33.2,56.6) 33.2,55.7 33.9,55 33.9,49.49 38.5,44.89 38.5,42.82 39.8,41.52 39.8,37.57 46.97,30.4 v1(48.5,30.4)
ATT_D2: length 39.7
  Top w0.2: v1(47,29.4) 47.2,29.6 47.94,29.6 ; 42.56,33.2 v1(43.5,33.2)
  Top w0.3: v1(32.75,59.4) 32.75,59.4 32.75,57.9
  In3.Cu w0.15: v1(32.75,59.4) 32.4,59.05 32.4,53.65 33.6,52.45 33.6,49.37 38.2,44.77 38.2,42.7 39.5,41.4 39.5,37.2 v1(43.5,33.2) 47,29.7 v1(47,29.4)
ATT_D3: length 43.1
  Top w0.2: 42.56,32 v1(43.5,32) ; 50.34,28.8 v1(48.5,28.8)
  Top w0.3: 31.75,57.9 31.75,59.37 v1(31.77,59.39)
  In3.Cu w0.15: v1(48.5,28.8) 46.9,28.8 46.5,29.2 46.5,29.6 46.1,30 45.52,30 43.82,31.7 43.8,31.7 v1(43.5,32) 43,32.5 43,33.2 37.9,38.3 37.9,44.65 33.3,49.25 33.3,52.32 32.1,53.52 32.1,59.06 v1(31.77,59.39)
ATT_D4: length 39
  Top w0.2: 42.56,30.8 v1(43.5,30.8) ; 47.94,28 v1(47,28)
  Top w0.3: 31.25,57.9 31.25,56.65 v1(31.2,56.6)
  In3.Cu w0.15: v1(31.2,56.6) 31.2,53.57 32.7,52.07 32.7,49 37.3,44.4 37.3,38.05 42.4,32.95 42.4,31.9 v1(43.5,30.8) 43.5,30.4 45.9,28 v1(47,28)
ATT_D5: length 46.2
  Top w0.2: 50.34,27.2 v1(48.5,27.2) 46.15,27.2
  Top w0.3: 46.15,27.2 46.1,27.25 46.1,27.34 ; 30.75,57.9 30.75,59.38 v1(30.73,59.4)